# KiCad board Batch 1.kicad_pcb (continued)
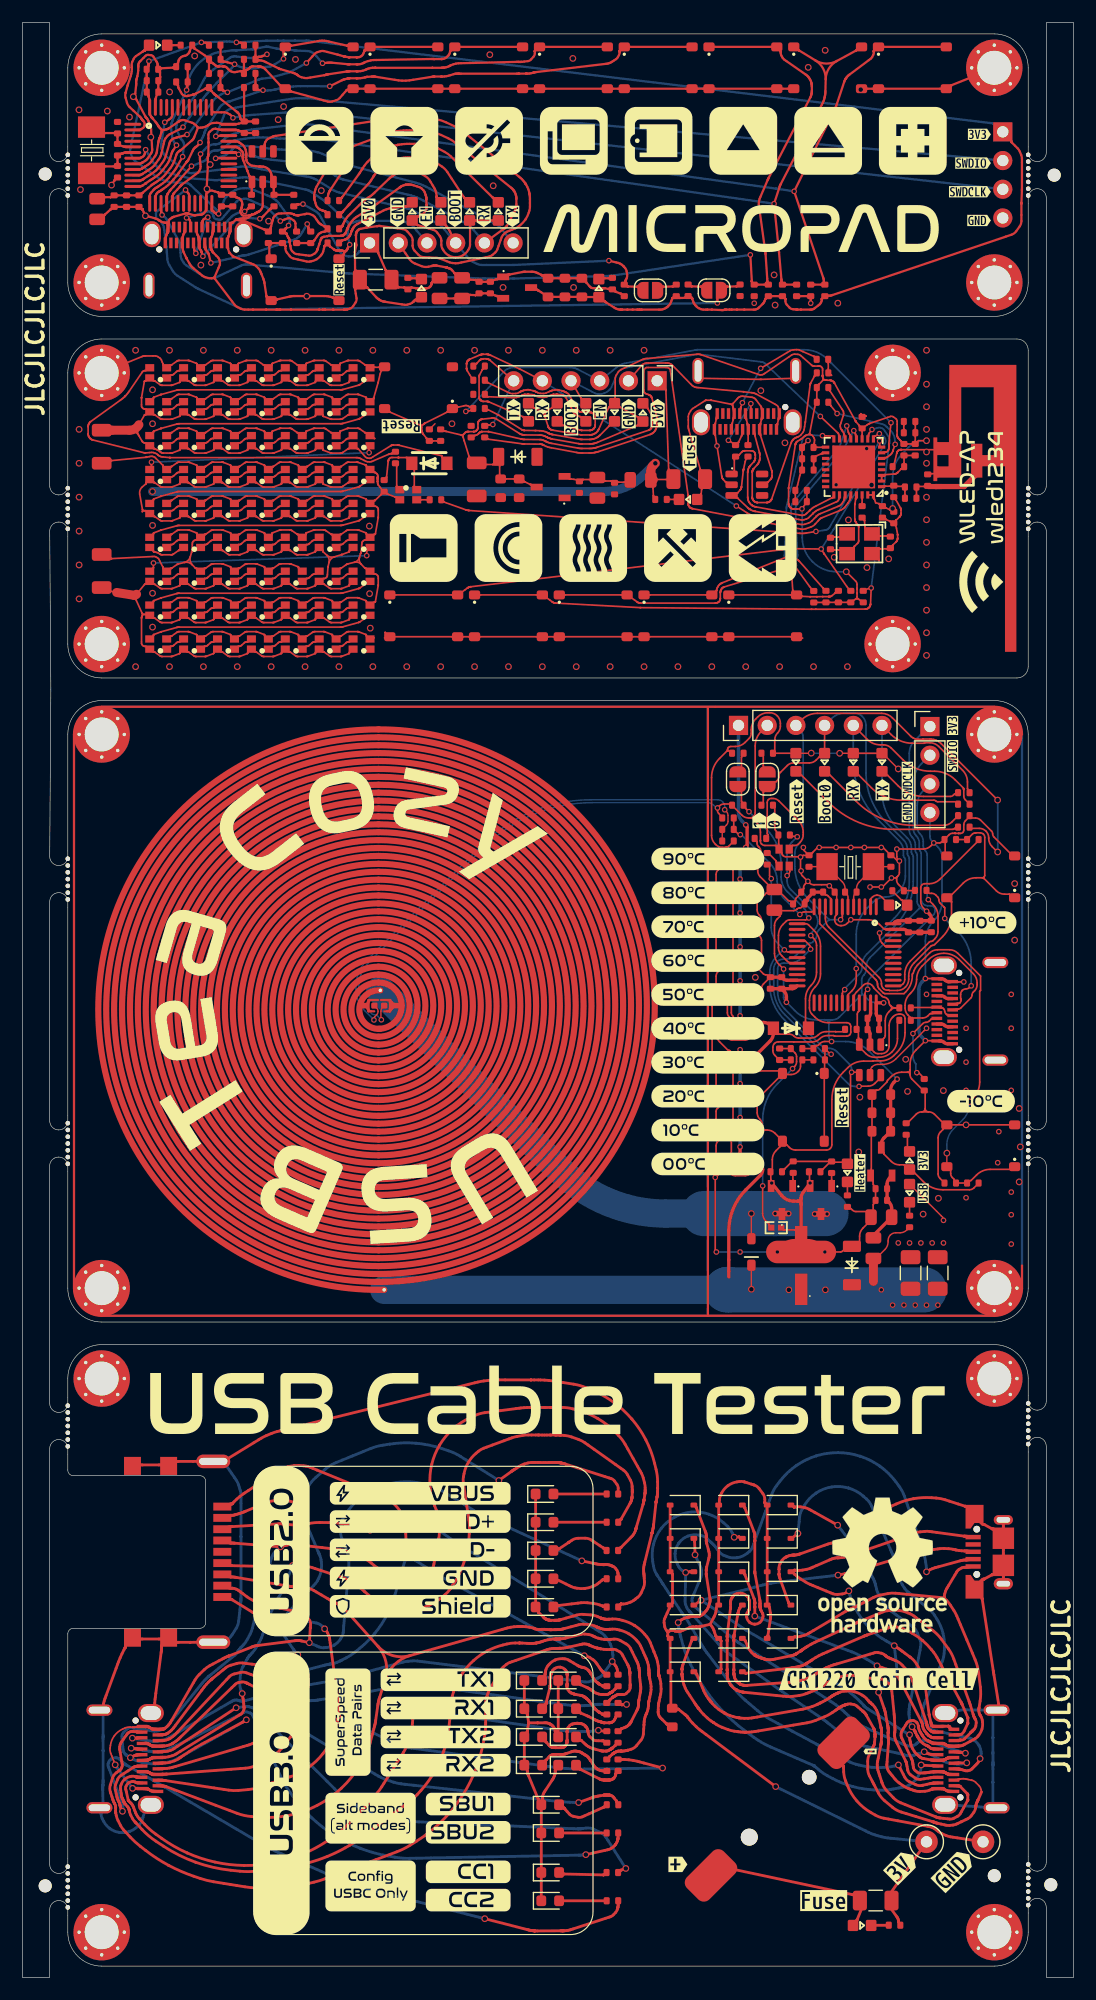
[diagram p0: board, top side]
## Routing (per net, layer and track width the routed paths; a pad name or vN(x,y) marks a point on that pad's centre or on a via; arc(x,y) is an arc through that point) (continued)
Net-(U3-GPIO8): length 5.1
  Top w0.15: R37.2 71.47,140.39 arc(71.47,140.38) 71.47,140.38 arc(71.47,140.38) 71.47,140.38 71.47,140.38 arc(71.48,140.38) 71.48,140.37 72.53,138.77 72.6,138.66 arc(72.63,138.61) 72.65,138.54 72.67,138.41 arc(72.67,138.35) 72.66,138.29 72.42,137.55 72.37,137.41 arc(72.36,137.34) 72.36,137.27 72.39,137.13 arc(72.41,137.06) 72.45,137 72.49,136.95 arc(72.5,136.95) 72.5,136.94 arc(72.5,136.93) 72.51,136.93 72.51,136.92 arc(72.52,136.91) 72.53,136.9 72.55,136.88 arc(72.56,136.86) 72.56,136.85 arc(72.57,136.84) 72.58,136.82 72.7,136.61 arc(72.7,136.6) 72.71,136.59 72.72,136.57 arc(72.72,136.56) 72.72,136.55 72.73,136.51 arc(72.73,136.48) 72.73,136.45 72.73,136.44 arc(72.74,136.41) 72.74,136.37 U4.14
Net-(U3-U0TXD): length 52
  Top w0.15: U4.28 73.24,130.99 arc(73.24,130.95) 73.24,130.91 73.24,130.89 arc(73.24,130.88) 73.24,130.86 arc(73.23,130.84) 73.23,130.82 73.22,130.78 arc(73.21,130.76) 73.2,130.74 73.06,130.5 arc(73.05,130.49) 73.05,130.48 73.04,130.46 arc(73.03,130.46) 73.03,130.45 72.89,130.26 72.79,130.14 arc(72.74,130.08) 72.69,130.03 72.56,129.94 arc(72.5,129.89) 72.43,129.86 70.76,129.19 70.7,129.16 arc(70.67,129.15) 70.64,129.13 70.59,129.1 arc(70.57,129.08) 70.54,129.05 70.41,128.9 70.14,128.6 arc(69.96,128.46) 69.76,128.36 69.32,128.21 arc(69.1,128.17) 68.88,128.18 68.42,128.26 64.7,128.96 arc(64.7,128.96) 64.69,128.96 arc(64.69,128.96) 64.69,128.96 59.32,129.98 arc(59.31,129.98) 59.31,129.98 arc(59.31,129.98) 59.31,129.98 59.24,130 arc(59.22,130) 59.21,130 59.18,130.02 arc(59.16,130.02) 59.15,130.03 59.11,130.06 arc(59.11,130.06) 59.11,130.06 arc(59.11,130.06) 59.11,130.06 59.07,130.08 arc(59.06,130.09) 59.05,130.1 59.03,130.13 arc(59.02,130.14) 59.01,130.15 58.96,130.23 arc(58.95,130.24) 58.94,130.25 58.93,130.28 arc(58.92,130.3) 58.92,130.31 58.91,130.35 arc(58.91,130.36) 58.91,130.36 arc(58.91,130.36) 58.91,130.37 58.91,130.39 arc(58.9,130.39) 58.9,130.4 arc(58.9,130.41) 58.9,130.41 58.9,130.43 arc(58.9,130.44) 58.9,130.44 58.9,131.16 arc(58.9,131.16) 58.9,131.17 58.9,131.18 arc(58.9,131.18) 58.9,131.19 58.9,131.2 57.32,142.26 arc(57.31,142.31) 57.27,142.36 57.18,142.44 arc(57.13,142.46) 57.07,142.48 55.24,142.48 arc(55.18,142.46) 55.13,142.43 55.03,142.33 arc(55,142.28) 54.98,142.22 54.98,140.4 arc(54.99,140.35) 55.02,140.3 55.08,140.22 arc(55.11,140.18) 55.16,140.16 55.42,140.07 arc(55.43,140.06) 55.44,140.06 55.46,140.05 arc(55.47,140.05) 55.48,140.04 55.55,139.99 arc(55.56,139.98) 55.57,139.97 55.6,139.95 arc(55.61,139.94) 55.62,139.93 55.64,139.89 arc(55.64,139.89) 55.64,139.89 arc(55.64,139.89) 55.64,139.89 55.67,139.85 arc(55.67,139.84) 55.68,139.83 55.69,139.8 arc(55.7,139.79) 55.7,139.78 55.71,139.75 56.09,138.28 arc(56.09,138.26) 56.1,138.24 arc(56.1,138.22) 56.1,138.2 56.12,138.15 arc(56.12,138.13) 56.12,138.11 56.12,138.08 arc(56.13,138.06) 56.13,138.04 56.13,137.36 arc(56.13,137.34) 56.12,137.32 56.12,137.29 arc(56.12,137.27) 56.12,137.25 56.09,137.14 arc(56.08,137.11) 56.07,137.07 56.05,137.01 arc(56.03,136.98) 56.01,136.94 55.94,136.84 arc(55.92,136.81) 55.89,136.78 55.84,136.73 arc(55.82,136.71) 55.79,136.69 55.69,136.62 arc(55.67,136.61) 55.65,136.6 55.6,136.57 arc(55.58,136.56) 55.56,136.56 50.96,135.03 arc(50.92,135.02) 50.89,135.01 50.82,134.99 arc(50.78,134.98) 50.75,134.97 50.6,134.94 arc(50.54,134.93) 50.49,134.93 50.37,134.92 arc(50.31,134.91) 50.26,134.91 49.45,134.91 arc(49.39,134.91) 49.34,134.91 49.23,134.92 arc(49.18,134.93) 49.13,134.94 49.02,134.96 46.79,135.37 46.63,135.4 arc(46.55,135.42) 46.47,135.45 46.32,135.5 arc(46.24,135.53) 46.17,135.57 46.11,135.61 arc(46.1,135.61) 46.1,135.62 46.08,135.63 arc(46.07,135.63) 46.07,135.63 46.05,135.64 arc(46.04,135.64) 46.03,135.65 arc(46.02,135.65) 46.01,135.65 46,135.66 arc(45.99,135.66) 45.99,135.66 arc(45.98,135.66) 45.98,135.66 45.87,135.69 arc(45.86,135.69) 45.86,135.69 45.84,135.69 arc(45.83,135.7) 45.82,135.7 44.43,135.71 44.38,135.71 arc(44.36,135.71) 44.33,135.71 44.29,135.72 arc(44.26,135.72) 44.24,135.72 44.19,135.73 41.22,136.13 arc(41.22,136.13) 41.22,136.13 41.22,136.13 arc(41.22,136.13) 41.21,136.13 R32.1
Net-(U3-VDD_SPI_(OUTPUT)): length 2.2
  Top w0.15: U4.18 70.86,134.87 arc(70.82,134.86) 70.79,134.86 70.74,134.86 arc(70.74,134.86) 70.74,134.86 70.73,134.86 arc(70.73,134.86) 70.72,134.86 arc(70.72,134.86) 70.71,134.85 70.26,134.66 arc(70.26,134.66) 70.26,134.66 arc(70.26,134.66) 70.26,134.66 arc(70.26,134.66) 70.25,134.66 70.09,134.49 arc(70.03,134.39) 70.01,134.28 C42.1
Net-(U3-XTAL_P): length 1
  Top w0.15: U4.30 74.3,130.84 74.3,130.37 R36.1
Net-(U4-G): length 0.9
  Top w0.15: 68.17,70.93 68.17,70.53 arc(68.17,70.5) 68.17,70.46 U9.1

## Copper pours and planes (outline as drawn; the poured copper is in the pictures)
+5V on Top: 61,63 84.6,63 84.6,58 61,58
+5V on Top, Bottom: 10,143 10,117 12,117 12,143
GND on Top, Bottom: 60.65,113 89,113 89,58 60.65,58
GND on Top, Bottom: 4,172 89,172 89,147 4,147
GND on Top, Bottom: 4,145 81,145 81,115 4,115
GND on Top, Bottom: 4,56 89,56 89,1 4,1
VBUS on Top: 58,140 58,131 67,131 67,140
VBUS on Top, Bottom: 88,62.5 77,62.5 77,65.5 79,65.5 84,71.5 84,76 83,78 83,83.5 79.5,83.5 79.5,87.5 88,87.5

Small or netless copper shapes (teardrops, artwork), in the pictures only: 630 on Top, 164 on Bottom

## Text on the board
F.Silkscreen: JLCJLCJLCJLC
